# Altium PCB FMC_ADC_250M_16B_4ch.PcbDoc (part 7 of 8)
Units mm, origin at the board's own origin, x right, y up, seen from the top; angles counter-clockwise.
Board outline 76.75 x 69 mm, 8 copper layers (Top Layer, GND(SMAGND), L3, GND, L5, GND (Plane2), Power, Bottom Layer), stack 2.323 mm thick; 401 components, 423 nets, 2219 pads, 1334 vias.
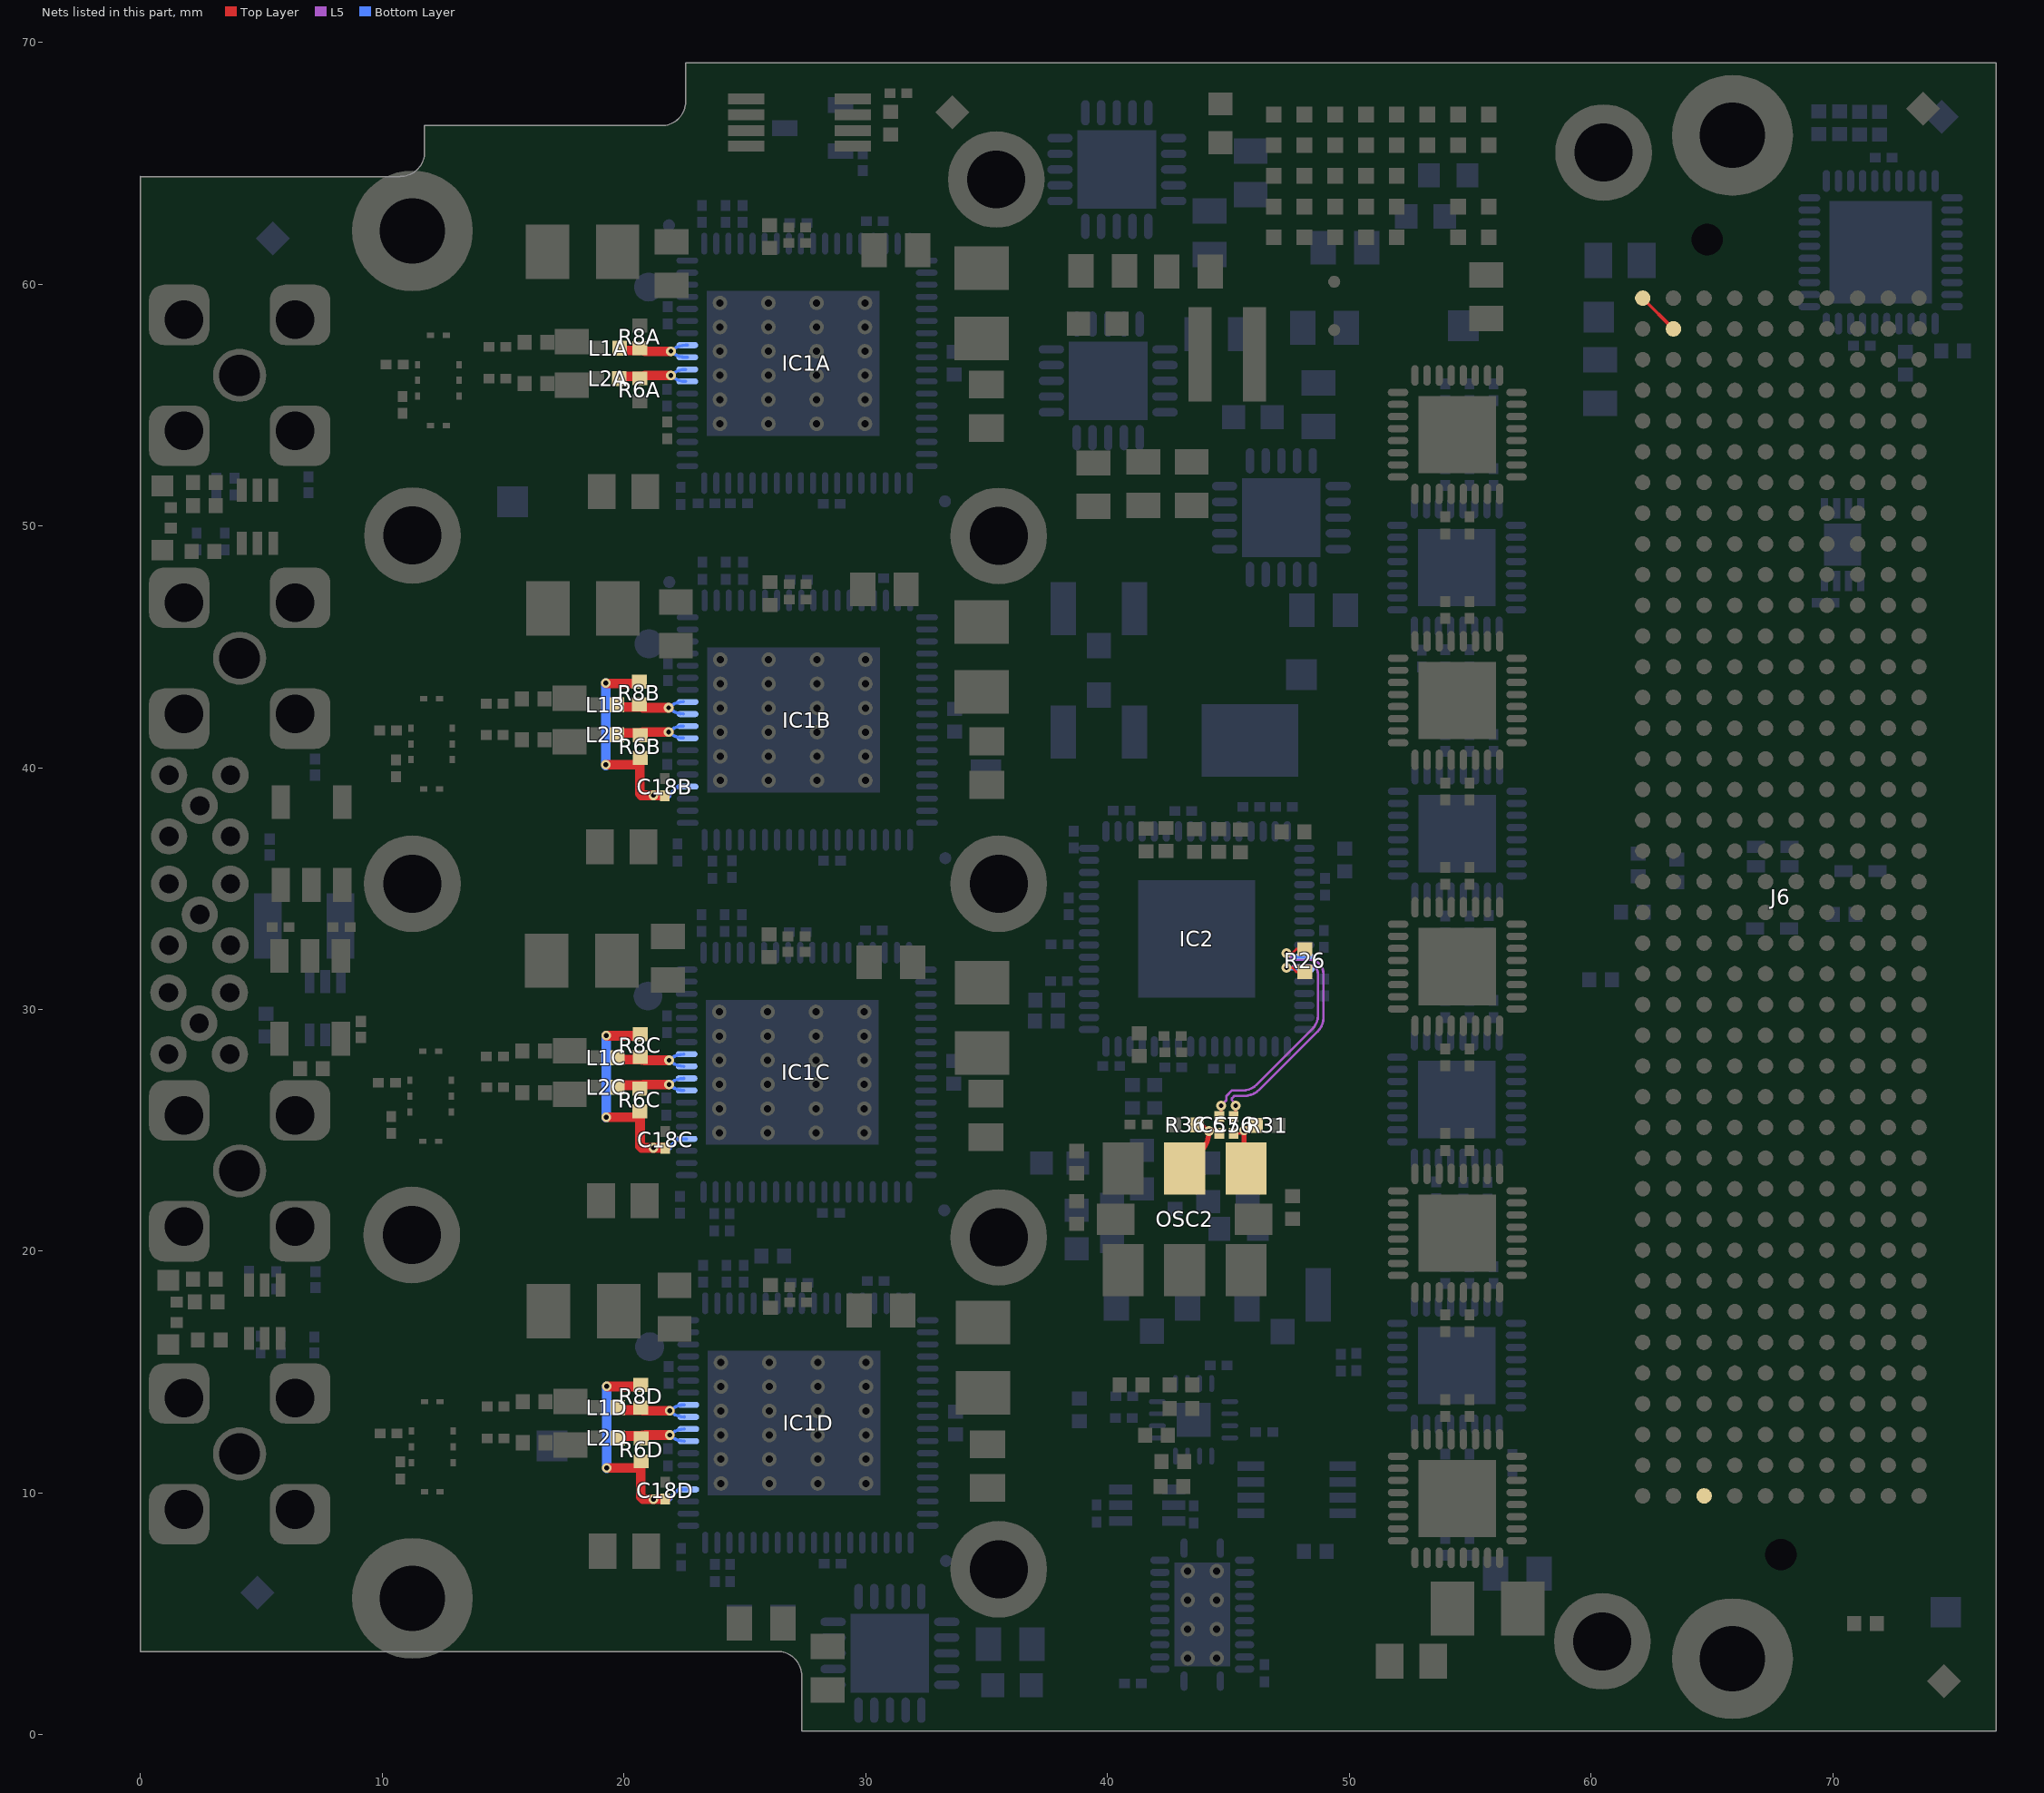
[diagram p13: the nets of this part, all layers, seen from the top]

## Via types
v1: diameter 0.4, hole 0.2, Top Layer to Bottom Layer, tented both sides, 961 vias
v2: diameter 0.5, hole 0.2, Top Layer to Bottom Layer, tented both sides, 314 vias
v3: diameter 0.4, hole 0.2, Top Layer to Bottom Layer, 33 vias
v4: diameter 0.5, hole 0.25, Top Layer to Bottom Layer, tented both sides, 19 vias
v5: diameter 0.6, hole 0.3, Top Layer to Bottom Layer, tented both sides, 7 vias

## Nets (pads, with @x,y where several pads share a name; then routed paths per layer and width w, separated by ;. In a path a pad name is that pad's centre, name@x,y a point inside that pad or via, vN(x,y) a via of type N, cw(c..) or ccw(c..) an arc to the next point about the centre after c; other vN are vias at no path point) (continued)
VCMB: C18B.1 IC1B.4 R6B.2 R8B.1 | length 10
  Top Layer w0.4: v3(19.251,40.119) R6B.2@20.655,40.119 ; v3@19.264,43.485 R8B.1@20.661,43.485 ; R6B.2@20.655,40.17 R6B.2@20.655,40.119 ; R6B.2@20.661,40.119 R6B.2@20.655,40.119 ; C18B.1@21.702,38.855 v1(21.225,38.855) 20.717,38.855 20.655,38.917 R6B.2@20.655,40.119
  Bottom Layer w0.135: 21.89,38.875 22.231,39.217 IC1B.4@22.639,39.217
  Bottom Layer w0.254: v1@21.225,38.828 21.843,38.828
  Bottom Layer w0.4: v3@19.251,40.094 v3(19.251,40.119) v3(19.251,43.498)
VCMC: C18C.1 IC1C.4 R6C.2 R8C.1 | length 10.3
  Top Layer w0.4: v3(19.269,25.545) R6C.2@20.673,25.545 ; v3@19.282,28.91 R8C.1@20.679,28.91 ; R6C.2@20.673,25.596 R6C.2@20.673,25.545 ; R6C.2@20.679,25.545 R6C.2@20.673,25.545 ; C18C.1@21.72,24.281 20.735,24.281 20.673,24.342 R6C.2@20.673,25.545
  Bottom Layer w0.135: v1(21.225,24.275) v1@21.225,24.281 ; 21.864,24.281 22.233,24.65 IC1C.4@22.548,24.65 ; IC1C.4@22.282,24.65 IC1C.4@22.597,24.65
  Bottom Layer w0.254: v1@21.225,24.281 21.864,24.281
  Bottom Layer w0.4: v3@19.269,25.52 v3(19.269,25.545) v3(19.269,28.923)
VCMD: C18D.1 IC1D.4 R6D.2 R8D.1 | length 9.9
  Top Layer w0.4: v3(19.294,11.045) R6D.2@20.698,11.045 ; v3@19.307,14.41 R8D.1@20.704,14.41 ; R6D.2@20.698,11.096 R6D.2@20.698,11.045 ; R6D.2@20.704,11.045 R6D.2@20.698,11.045 ; C18D.1@21.745,9.781 21.714,9.75 v1(21.225,9.75) 20.791,9.75 20.698,9.842 R6D.2@20.698,11.045
  Bottom Layer w0.135: 21.889,9.781 22.258,10.15 IC1D.4@22.573,10.15
  Bottom Layer w0.254: v1@21.35,9.781 21.889,9.781
  Bottom Layer w0.4: v3@19.294,11.02 v3(19.294,11.045) v3(19.294,14.423)
VCOC_N: C57.1 IC2.11 R26.2 | length 11.4
  Top Layer w0.102: C57.1@44.706,25.575 v1(44.706,26.025) ; v1@47.27,31.725 v1(47.406,31.725) 47.644,31.725 47.814,31.555 R26.2@48.175,31.555 R26.2@48.375,31.555
  L5 w0.102: v1@44.719,26.051 44.922,26.254 44.922,26.42 45.156,26.654 45.606,26.654 ccw(c45.606,27.447) 46.167,26.886 48.478,29.197 ccw(c47.926,29.748) 48.706,29.748 ; v1@47.506,31.625 47.706,31.825 48.365,31.825 cw(c48.365,31.484) 48.606,31.725 cw(c48.365,31.484) 48.706,31.484 48.706,29.593
  Bottom Layer w0.102: v1@47.506,31.666 IC2.11@48.142,31.666
VCOC_P: C56.1 IC2.10 R26.1 | length 11.8
  Top Layer w0.102: C56.1@45.306,25.575 v1(45.306,26.025) ; v1(47.406,32.325) 47.644,32.325 47.814,32.495 R26.1@48.175,32.495 R26.1@48.375,32.495
  L5 w0.102: v1@45.343,26.062 45.15,26.254 45.15,26.325 45.25,26.425 45.646,26.425 ccw(c45.646,27.352) 46.301,26.696 ; 46.301,26.696 48.706,29.102 ccw(c48.155,29.654) 48.935,29.654 ; v1(47.406,32.325) 47.678,32.054 48.365,32.054 cw(c48.365,31.484) 48.768,31.887 cw(c48.365,31.484) 48.935,31.484 48.935,29.593
  Bottom Layer w0.102: v1(47.406,32.325) 47.527,32.204 47.605,32.204 47.644,32.166 IC2.10@48.142,32.166
VCXO_OUT_N: C57.2 OSC2.5 R36.1 | length 3.2
  Top Layer w0.102: R36.1@43.684,25.224 R36.1@43.704,25.224 43.971,25.224 v1@44.149,25.046 ; v1(44.199,24.97) 44.199,24.995 v1@44.149,25.046 ; C57.2@44.631,24.874 44.459,25.046 v1@44.149,25.046
  Top Layer w0.2: OSC2.5@43.195,23.427 43.819,24.051 ccw(c42.9,24.97) v1(44.199,24.97)
  Bottom Layer w0.102: v1@44.174,25.021 44.199,24.995 v1(44.199,24.97)
VCXO_OUT_P: C56.2 OSC2.4 R31.1 | length 2.8
  Top Layer w0.102: C56.2@45.215,24.874 45.526,24.874 v1(45.647,24.995) 45.673,24.995 45.876,25.198 R31.1@46.142,25.198 R31.1@46.162,25.198 ; R31.1@46.15,24.975 R31.1@46.25,24.975
  Top Layer w0.2: v1(45.647,24.995) 45.647,23.638 ccw(c45.946,23.638) OSC2.4@45.735,23.427
VINA_N: IC1A.8 IC1A.9 L2A.2 R6A.1 | length 3.5
  Top Layer w0.4: L2A.2@19.907,56.186 R6A.1@20.755,56.186 ; R6A.1@20.654,56.098 cw(c20.946,55.808) 20.946,56.221 v1(21.949,56.221)
  Bottom Layer w0.135: IC1A.9@22.552,56.471 ccw(c22.552,55.618) v1(21.949,56.221) ccw(c22.554,56.826) IC1A.8@22.554,55.971
VINA_P: IC1A.10 IC1A.11 L1A.2 R8A.2 | length 3.5
  Top Layer w0.4: L1A.2@19.932,57.253 R8A.2@20.654,57.253 ; R8A.2@20.654,57.342 ccw(c20.946,57.634) 20.946,57.221 v1(21.949,57.221)
  Bottom Layer w0.135: IC1A.10@22.625,56.971 22.554,56.971 cw(c22.554,57.826) v1(21.949,57.221) cw(c22.552,56.618) 22.552,57.471 IC1A.11@22.625,57.471
VINB_N: IC1B.8 IC1B.9 L2B.2 R6B.1 | length 3.5
  Top Layer w0.4: L2B.2@19.812,41.44 R6B.1@20.66,41.44 ; R6B.1@20.559,41.354 cw(c20.851,41.062) 20.851,41.475 v1(21.854,41.475)
  Bottom Layer w0.135: IC1B.9@22.457,41.724 ccw(c22.457,40.872) v1(21.854,41.475) ccw(c22.459,42.079) IC1B.8@22.459,41.224
VINB_P: IC1B.10 IC1B.11 L1B.2 R8B.2 | length 3.6
  Top Layer w0.4: L1B.2@19.838,42.507 R8B.2@20.691,42.507 ; R8B.2@20.559,42.596 ccw(c20.851,42.888) R8B.2@20.691,42.507 ; R8B.2@20.727,42.507 R8B.2@20.691,42.507 ; v1(21.854,42.475) 20.851,42.475 cw(c20.851,42.888) R8B.2@20.691,42.507
  Bottom Layer w0.135: IC1B.11@22.457,42.724 ccw(c22.457,41.872) v1(21.854,42.475) ccw(c22.459,43.079) IC1B.10@22.459,42.224
VINC_N: IC1C.8 IC1C.9 L2C.2 R6C.1 | length 3.5
  Top Layer w0.4: L2C.2@19.83,26.866 R6C.1@20.678,26.866 ; R6C.1@20.577,26.779 cw(c20.869,26.487) 20.869,26.9 v1(21.872,26.9)
  Bottom Layer w0.135: IC1C.9@22.475,27.15 ccw(c22.475,26.298) v1(21.872,26.9) ccw(c22.477,27.505) IC1C.8@22.477,26.65
VINC_P: IC1C.10 IC1C.11 L1C.2 R8C.2 | length 3.6
  Top Layer w0.4: L1C.2@19.856,27.933 R8C.2@20.709,27.933 ; R8C.2@20.577,28.021 ccw(c20.869,28.314) R8C.2@20.709,27.933 ; R8C.2@20.745,27.933 R8C.2@20.709,27.933 ; v1(21.872,27.9) 20.869,27.9 cw(c20.869,28.314) R8C.2@20.709,27.933
  Bottom Layer w0.135: IC1C.11@22.475,28.15 ccw(c22.475,27.298) v1(21.872,27.9) ccw(c22.477,28.505) IC1C.10@22.477,27.65
VIND_N: IC1D.8 IC1D.9 L2D.2 R6D.1 | length 3.5
  Top Layer w0.4: L2D.2@19.855,12.366 R6D.1@20.703,12.366 ; R6D.1@20.602,12.279 cw(c20.894,11.987) 20.894,12.4 v1(21.897,12.4)
  Bottom Layer w0.135: IC1D.9@22.5,12.65 ccw(c22.5,11.798) v1(21.897,12.4) ccw(c22.502,13.005) IC1D.8@22.502,12.15
VIND_P: IC1D.10 IC1D.11 L1D.2 R8D.2 | length 3.6
  Top Layer w0.4: L1D.2@19.881,13.433 R8D.2@20.734,13.433 ; R8D.2@20.602,13.521 ccw(c20.894,13.814) R8D.2@20.734,13.433 ; R8D.2@20.77,13.433 R8D.2@20.734,13.433 ; v1(21.897,13.4) 20.894,13.4 cw(c20.894,13.814) R8D.2@20.734,13.433
  Bottom Layer w0.135: IC1D.11@22.5,13.65 ccw(c22.5,12.798) v1(21.897,13.4) ccw(c22.502,14.005) IC1D.10@22.502,13.15
VIO_B_M2C: J6.j39 J6.k40 | length 1.8
  Top Layer w0.135: J6.k40@62.141,59.415 J6.j39@63.411,58.145
VREF_A_M2C: J6.h1
pads on no net: B2_PANEL.1 B3_PANEL.1 FTG1.1 FTG2.1 FTG3.1 FTG4.1 FTG5.1 FTG6.1 IC1A.1 IC1A.2 IC1A.17 IC1A.28 IC1A.29 IC1A.33 IC1A.34 IC1A.37 IC1A.38 IC1A.41 IC1A.42 IC1A.49 IC1A.50 IC1A.53 IC1A.54 IC1A.57 IC1A.58 IC1A.FTG1 IC1A.FTG2 IC1B.1 IC1B.2 IC1B.17 IC1B.28 IC1B.29 IC1B.33 IC1B.34 IC1B.37 IC1B.38 IC1B.41 IC1B.42 IC1B.49 IC1B.50 IC1B.53 IC1B.54 IC1B.57 IC1B.58 IC1B.FTG1 IC1B.FTG2 IC1C.1 IC1C.2 IC1C.17 IC1C.28 IC1C.29 IC1C.33 IC1C.34 IC1C.37 IC1C.38 IC1C.41 IC1C.42 IC1C.49 IC1C.50 IC1C.53 IC1C.54 IC1C.57 IC1C.58 IC1C.FTG1 IC1C.FTG2 IC1D.1 IC1D.2 IC1D.17 IC1D.28 IC1D.29 IC1D.33 IC1D.34 IC1D.37 IC1D.38 IC1D.41 IC1D.42 IC1D.49 IC1D.50 IC1D.53 IC1D.54 IC1D.57 IC1D.58 IC1D.FTG1 IC1D.FTG2 IC2.38 IC2.39 IC2.42 IC2.43 IC4.5 IC4.7 IC4.16 IC4.17 IC5.23 IC5.24 IC6.23 IC6.24 IC7.23 IC7.24 IC8.23 IC8.24 IC9.23 IC9.24 IC10.23 IC10.24 IC11.23 IC11.24 IC12.23 IC12.24 IC13.23 IC13.24 IC15.1 IC15.3 IC15.4 IC15.5 IC15.6 IC15.7 IC15.8 IC15.9 IC15.17 IC15.18 IC15.19 IC15.20 IC15.21 IC15.22 IC15.23 IC15.24 IC15.25 IC15.27 IC15.28 IC15.29 IC15.30 IC15.31 IC15.39 IC15.40 IC16.2 IC16.4 IC16.5 IC16.6 IC16.8 IC16.9 IC16.11 IC16.12 IC16.17 IC16.18 IC16.19 IC17.2 IC17.4 IC17.5 IC17.6 IC17.9 IC17.10 IC17.17 IC17.18 IC17.19 IC24.2 IC24.4 IC24.5 IC24.6 IC24.8 IC24.9 IC24.11 IC24.12 IC24.17 IC24.18 IC24.19 IC25.2 IC25.4 IC25.5 IC25.6 IC25.8 IC25.9 IC25.11 IC25.12 IC25.17 IC25.18 IC25.19 J6.1 J6.2 J6.a2 J6.a3 J6.a6 J6.a7 J6.a10 J6.a11 J6.a14 J6.a15 J6.a18 J6.a19 J6.a22 J6.a23 J6.a26 J6.a27 J6.a30 J6.a31 J6.a34 J6.a35 J6.a38 J6.a39 J6.b4 J6.b5 J6.b8 J6.b9 J6.b12 J6.b13 J6.b16 J6.b17 J6.b20 J6.b21 J6.b24 J6.b25 J6.b28 J6.b29 J6.b32 J6.b33 J6.b36 J6.b37 J6.b40 J6.c2 J6.c3 J6.c6 J6.c7 J6.d1 J6.d4 J6.d5 J6.d29 J6.d33 J6.d34 J6.k1 L3.2 L10.2 TR1A.2 TR1A.7 TR1B.2 TR1B.7 TR1C.2 TR1C.7 TR1D.2 TR1D.7
copper on no net: | length 207
  Top Layer w0.143: 75.225,34.625 76.6,34.625 ; 75.225,35.7 76.6,35.7 ; 75.225,36.775 76.6,36.775 ; 75.225,37.85 76.6,37.85 ; 75.225,38.925 76.6,38.925 ; 75.225,40 76.6,40 ; 75.225,41.075 75.225,42.15 76.6,42.15 76.6,41.075 ; 75.225,41.075 76.6,41.075 ; 75.225,41.075 75.225,33.55 76.6,33.55 76.6,41.075
  L5 w0.143: 75.225,33.55 75.225,41.075 ; 75.225,33.55 76.6,33.55 ; 75.225,33.55 75.225,41.075 ; 75.225,33.55 76.6,33.55 ; 75.225,33.55 75.225,41.075 ; 75.225,33.55 76.6,33.55 ; 75.225,33.55 75.225,41.075 ; 75.225,33.55 76.6,33.55 ; 75.225,34.625 76.6,34.625 ; 75.225,34.625 76.6,34.625 ; 75.225,34.625 76.6,34.625 ; 75.225,34.625 76.6,34.625 ; 75.225,35.7 76.6,35.7 ; 75.225,35.7 76.6,35.7 ; 75.225,35.7 76.6,35.7 ; 75.225,35.7 76.6,35.7 ; 75.225,36.775 76.6,36.775 ; 75.225,36.775 76.6,36.775 ; 75.225,36.775 76.6,36.775 ; 75.225,36.775 76.6,36.775 ; 75.225,37.85 76.6,37.85 ; 75.225,37.85 76.6,37.85 ; 75.225,37.85 76.6,37.85 ; 75.225,37.85 76.6,37.85 ; 75.225,38.925 76.6,38.925 ; 75.225,38.925 76.6,38.925 ; 75.225,38.925 76.6,38.925 ; 75.225,38.925 76.6,38.925 ; 75.225,40 76.6,40 ; 75.225,40 76.6,40 ; 75.225,40 76.6,40 ; 75.225,40 76.6,40 ; 75.225,41.075 75.225,42.15 ; 75.225,41.075 76.6,41.075 ; 75.225,41.075 75.225,42.15 ; 75.225,41.075 76.6,41.075 ; 75.225,41.075 75.225,42.15 ; 75.225,41.075 76.6,41.075 ; 75.225,41.075 75.225,42.15 ; 75.225,41.075 76.6,41.075 ; 75.225,42.15 76.6,42.15 ; 75.225,42.15 76.6,42.15 ; 75.225,42.15 76.6,42.15 ; 75.225,42.15 76.6,42.15 ; 76.6,33.55 76.6,41.075 ; 76.6,33.55 76.6,41.075 ; 76.6,33.55 76.6,41.075 ; 76.6,33.55 76.6,41.075 ; 76.6,41.075 76.6,42.15 ; 76.6,41.075 76.6,42.15 ; 76.6,41.075 76.6,42.15 ; 76.6,41.075 76.6,42.15
  L3 w0.143: 75.225,34.625 76.6,34.625 ; 75.225,35.7 76.6,35.7 ; 75.225,36.775 76.6,36.775 ; 75.225,37.85 76.6,37.85 ; 75.225,38.925 76.6,38.925 ; 75.225,40 76.6,40 ; 75.225,41.075 75.225,42.15 76.6,42.15 76.6,41.075 ; 75.225,41.075 76.6,41.075 ; 75.225,41.075 75.225,33.55 76.6,33.55 76.6,41.075
  Bottom Layer w0.143: 75.225,34.625 76.6,34.625 ; 75.225,35.7 76.6,35.7 ; 75.225,36.775 76.6,36.775 ; 75.225,37.85 76.6,37.85 ; 75.225,38.925 76.6,38.925 ; 75.225,40 76.6,40 ; 75.225,41.075 75.225,42.15 76.6,42.15 76.6,41.075 ; 75.225,41.075 76.6,41.075 ; 75.225,41.075 75.225,33.55 76.6,33.55 76.6,41.075
  other v1: 40.299,6.62

## Polygon pours and split planes (outlines as drawn)
GND on GND(SMAGND) "gnd L2" (solid, pour order 20): 22 vertices, not listed, extent 23.759,0.132 76.142,68.53
GND on GND(SMAGND) "GND l2" (hatched 90Degree grid 0.178 track 0.203, remove dead copper, pour order 19): 39 vertices, not listed, extent 0.087,5.476 28.65,64.687
NetJ8_2 on GND(SMAGND) "GND-No Net" (solid, pour order 17): 0.259,48.25 12,48.25 12,38.813 11.998,38.809 11.725,38.141 0.272,38.141 0.272,48.218 0.259,48.25
NetJ2_2 on GND(SMAGND) "GND-No Net" (solid, pour order 16): 0.259,29.625 12,29.625 12,20.054 11.998,20.049 11.725,19.372 0.272,19.372 0.272,29.593 0.259,29.625
NetJ9_2 on GND(SMAGND) "GND-No Net" (solid, pour order 18): 0.259,59.95 12,59.95 12,52.796 11.998,52.793 11.725,52.287 0.272,52.287 0.272,59.926 0.259,59.95
NetJ1_2 on GND(SMAGND) "GND-No Net" (solid, pour order 15): 0.259,15.625 12,15.625 12,8.201 11.998,8.197 11.725,7.672 0.272,7.672 0.272,15.6 0.259,15.625
P3V3 on L5 "Bottom Layer-No Net 1" (solid, remove dead copper, pour order 13): 32 vertices, not listed, extent 44.242,52.249 70.937,59.412
GND on L3 "gnd L3" (solid, pour order 14): 22 vertices, not listed, extent 23.79,0.332 76.173,68.73
GND on L3 "Top Layer-No Net" (hatched 90Degree grid 0.178 track 0.203, remove dead copper, pour order 12): 39 vertices, not listed, extent 0.118,5.676 23.095,64.887
no net on Top Layer "Bottom Layer-No Net" (solid, pour order 21): 0.473,63.505 9.608,63.505 9.608,60.956 0.473,60.956
no net on Top Layer "Bottom Layer-No Net" (solid, pour order 22): 0.459,6.85 9.533,6.85 9.533,4.374 0.459,4.374
GND on GND (split plane): 143 vertices, not listed, extent 0.134,0.279 76.627,69.021
GND on GND (Plane2) (split plane): 139 vertices, not listed, extent 0.134,0.279 76.627,69.021
P12V0 on Power (split plane): 47 vertices, not listed, extent 52.828,52.053 76.627,67.522
P3V7 on Power (split plane): 49.557,64.562 49.557,59.414 44.739,59.414 45.961,60.636 45.978,60.661 45.984,60.691 45.984,62.193 46.907,63.116 46.924,63.141 46.93,63.171 46.93,65.115 49.004,65.115
P3V3CLK on Power (split plane): 38 vertices, not listed, extent 37.786,11.103 48.414,49.824
P1V8_OVDD on Power (split plane): 92 vertices, not listed, extent 33.682,8.538 42.763,60.443
P1V8DA on Power (split plane): 26 vertices, not listed, extent 26.291,49.776 36.694,63.393
P1V8DB on Power (split plane): 29 vertices, not listed, extent 26.305,35.022 36.708,48.639
P3V3 on Power (split plane): 59 vertices, not listed, extent 50.588,0.279 76.627,62.872
VADJ on Power (split plane): 107 vertices, not listed, extent 38.396,0.279 68.009,60.213
P3V3_BUF on Power (split plane): 49 vertices, not listed, extent 50.283,6.266 58.078,59.047
VADJ_FILT on Power (split plane): 122 vertices, not listed, extent 30.578,0.279 50.172,65.648
P1V8DD on Power (split plane): 26 vertices, not listed, extent 26.333,5.956 36.735,19.572
P3V3D on Power (split plane): 104 vertices, not listed, extent 21.684,55.628 76.627,69.021
P1V8_AVDD2 on Power (split plane): 59 vertices, not listed, extent 15.578,35.298 42.922,67.022
P1V8AB on Power (split plane): 24 vertices, not listed, extent 17.689,35.294 26.15,48.389
P1V8AA on Power (split plane): 27 vertices, not listed, extent 17.675,50.048 26.113,63.068
P1V8AC on Power (split plane): 26 vertices, not listed, extent 17.647,20.728 26.113,33.822
P1V8DC on Power (split plane): 26 vertices, not listed, extent 26.268,20.456 36.07,34.072
GND on Power (split plane): 345 vertices, not listed, extent 16.413,4.843 42.126,63.957
P1V8_AVDD1 on Power (split plane): 71 vertices, not listed, extent 15.578,0.279 30.922,23.143
GND on Power (split plane): 65 vertices, not listed, extent 0.134,3.579 21.529,66.421
P1V8AD on Power (split plane): 22 vertices, not listed, extent 17.717,6.228 26.164,19.322

## Keep-outs
Keep-Out Layer:
  lines w0.254: 0,3.45 26.356,3.45 cw(c26.356,2.45) 27.356,2.45 27.356,0.15 76.75,0.15 ; 0.004,64.446 10.75,64.446 ; 0.006,3.45 0.006,64.45 ; 10.756,64.45 ccw(c10.756,65.45) 11.756,65.45 11.756,66.55 21.556,66.55 ccw(c21.556,67.55) 22.556,67.55 22.556,69.15 ; 22.575,69.15 76.756,69.15 76.756,0.15

## Other copper
Top Layer:
  rectangle net ADC_DATA1.D0_P: 51.345,19.884 51.807,20.138
  rectangle net ADC_BUF_DATA0.D4_N: 57.175,8.892 57.611,9.146
  rectangle net ADC_BUF_DATA0.D4_P: 57.15,9.375 57.611,9.675
  rectangle net ADC_BUF_DATA1.D0_N: 57.15,20.35 57.687,20.652
  rectangle net ADC_BUF_DATA1.D0_P: 57.175,19.875 57.687,20.144
  rectangle net P3V3_BUF: 52.95,2.3 54.8,5.35
  rectangle net P3V3: 50.825,2.45 52.05,4.475
  rectangle net ADC_DATA1.D0_N: 51.413,20.398 51.875,20.652
  rectangle net GND: 64.85,31.269 65.205,31.625
  rectangle net VCXO_OUT_P: 45.393,24.874 45.571,25.071
  rectangle net VCXO_OUT_P: 45.749,24.894 45.901,25.122
  rectangle net GND: 24.641,63.73 24.997,64.01
  rectangle net GND: 24.032,63.705 24.387,64.035
  rectangle net GND: 23.067,63.73 23.422,64.01
  rectangle net ADC_BUF_DATA0.D6_P: 57.28,10.873 57.661,11.152
  rectangle net ADC_DATA2.D2_P: 51.388,32.869 51.565,33.072
  rectangle net P3V3_BUF: 55.071,56.669 55.367,56.954
  rectangle net P3V3_BUF: 54.563,56.669 54.867,56.872
  rectangle net P3V3_BUF: 53.572,56.644 53.877,56.872
  rectangle net GND: 11.525,27.764 12.5,28.6
  rectangle net GND: 11.802,53.875 12.843,54.485
  rectangle net GND: 11.8,57.521 12.818,58.225
  rectangle net GND: 22.94,19.687 24.438,20.169
  rectangle net GND: 11.577,13.249 12.551,14.175
  rectangle net GND: 11.56,9.7 12.576,10.365
  rectangle net GND: 15.275,60.225 15.95,62.455
  rectangle net GND: 23.905,48.719 25.124,49.151
  rectangle net GND: 17.682,45.518 17.961,47.703
  region net GND: 16.075,33.15 15.44,33.15 15.44,30.889 16.075,30.889
  rectangle net P1V8AD: 18.463,16.442 19.25,18.55
  rectangle net GND: 15.425,16.475 16.025,18.609
  rectangle net GND: 11.51,24.2 12.5,24.868
  rectangle net GND: 11.525,42.318 12.551,43.175
  rectangle net GND: 11.577,38.75 12.526,39.473
  rectangle net GND: 12.221,42.623 12.526,42.826
  rectangle net GND: 11.17,13.255 11.932,13.763
  rectangle net GND: 11.1,27.755 11.862,28.263
  rectangle net GND: 11.143,42.321 11.905,42.829
  rectangle net GND: 11.421,57.521 12.183,57.863
  rectangle net P3V3_BUF: 51.606,39.225 53.906,39.625
  rectangle net GND: 53.234,46.896 55.723,47.302
  rectangle net GND: 54.072,44.204 54.377,45.22
  rectangle net P3V3_BUF: 53.691,45.88 55.342,46.261
  rectangle net P3V3_BUF: 51.38,45.347 53.869,46.261
  rectangle net P3V3_BUF: 54.58,45.347 55.367,46.236
  rectangle net GND: 55.571,44.204 56.256,45.347
  rectangle net P3V3_BUF: 53.564,50.427 55.367,51.062
  rectangle net P3V3_BUF: 52.573,23.223 53.869,24.112
  rectangle net P3V3_BUF: 54.58,23.249 55.291,24.112
  rectangle net P3V3_BUF: 53.564,17.483 55.367,18.143
  rectangle net P3V3_BUF: 53.056,12.276 53.869,13.317
  rectangle net P3V3_BUF: 54.605,12.276 55.317,13.292
  rectangle net P3V3_BUF: 53.234,12.962 57.882,13.368
  rectangle net P3V3_BUF: 56.688,12.276 57.882,12.962
  rectangle net GND: 55.571,11.234 56.18,12.276
  rectangle net P3V3_BUF: 52.65,12.276 53.208,13.292
  rectangle net P3V3_BUF: 52.497,56.954 55.95,57.725
  rectangle net P3V3_BUF: 54.732,56.954 55.367,57.259
  rectangle net GND: 23.484,9.922 30.596,15.916
  rectangle net GND: 23.408,24.4 30.571,30.344
  rectangle net GND: 23.433,38.98 30.596,44.949
  rectangle net GND: 23.433,53.737 30.571,59.706
  rectangle net GND: 38.459,54.345 41.634,57.596
  rectangle net GND: 38.75,63.16 42.026,66.386
  rectangle net GND: 52.948,46.777 56.047,49.8
  rectangle net GND: 52.923,35.805 56.022,38.776
  rectangle net GND: 52.948,24.883 55.996,27.626
  rectangle net GND: 52.948,13.859 56.022,16.628
  rectangle net GND: 29.428,1.743 32.628,4.944
  rectangle net GND: 41.315,30.507 46.104,35.308
  rectangle net GND: 45.608,48.911 49.037,51.908
  rectangle net GND: 41.34,34.916 46.079,35.358
  rectangle net P1V8_AVDD1: 17.007,21.225 18.531,22.901
  rectangle net P1V8_AVDD1: 17.185,6.874 18.658,8.576
  rectangle net P1V8_AVDD1: 28.158,0.727 29.352,1.464
  rectangle net GND: 28.666,3.242 29.758,4.131
  rectangle net P1V8_AVDD1: 25.465,4.08 26.126,5.248
  rectangle net GND: 23.713,4.08 24.297,5.223
  rectangle net P1V8DD: 34.475,12.075 35.618,15.6
  rectangle net P1V8DD: 33.763,14.25 34.55,15.6
  rectangle net P1V8_OVDD: 34.105,9.25 35.575,9.86
  rectangle net P1V8DB: 34.406,41.545 35.6,44.212
  rectangle net P1V8DB: 33.85,43.825 35.831,44.45
  rectangle net P1V8DB: 33.162,43.78 33.925,44.212
  rectangle net P1V8DA: 34.482,56.353 35.473,58.766
  rectangle net P1V8DA: 33.675,58.048 35.88,59.15
  rectangle net P1V8DC: 34.305,26.915 35.676,29.582
  rectangle net P1V8DC: 33.925,29.025 35.805,29.65
  rectangle net P1V8_OVDD: 34.228,23.536 35.752,24.324
  rectangle net P1V8_OVDD: 34.305,38.116 35.778,38.827
  rectangle net P1V8_OVDD: 34.254,52.924 35.803,53.635
  rectangle net P1V8_AVDD2: 17.287,50.333 18.607,52.365
  rectangle net P1V8AA: 21.194,50.825 22.006,52.525
  rectangle net P1V8_AVDD2: 16.982,35.932 18.861,37.405
  rectangle net P3V3_BUF: 54.95,57.445 57.342,59.096
  rectangle net P3V3_BUF: 55.107,50.308 58.028,50.664
  rectangle net P3V3_BUF: 56.58,50.664 58.028,51.553
  rectangle net P3V3_BUF: 51.373,44.898 52.389,45.507
  rectangle net P3V3_BUF: 53.558,39.386 55.361,39.97
  rectangle net P3V3_BUF: 51.406,39.425 52.389,39.919
  rectangle net P3V3_BUF: 54.523,34.408 55.437,35.144
  rectangle net P3V3_BUF: 51.921,34.331 53.863,35.119